# KiCad board SparkFun_GNSS_Flex_pHAT_panelized.kicad_pcb
title: SparkFun GNSS Flex pHAT; date: 2025-03-20; rev: v10; company: SparkFun Electronics; note: Designed by: P.C.
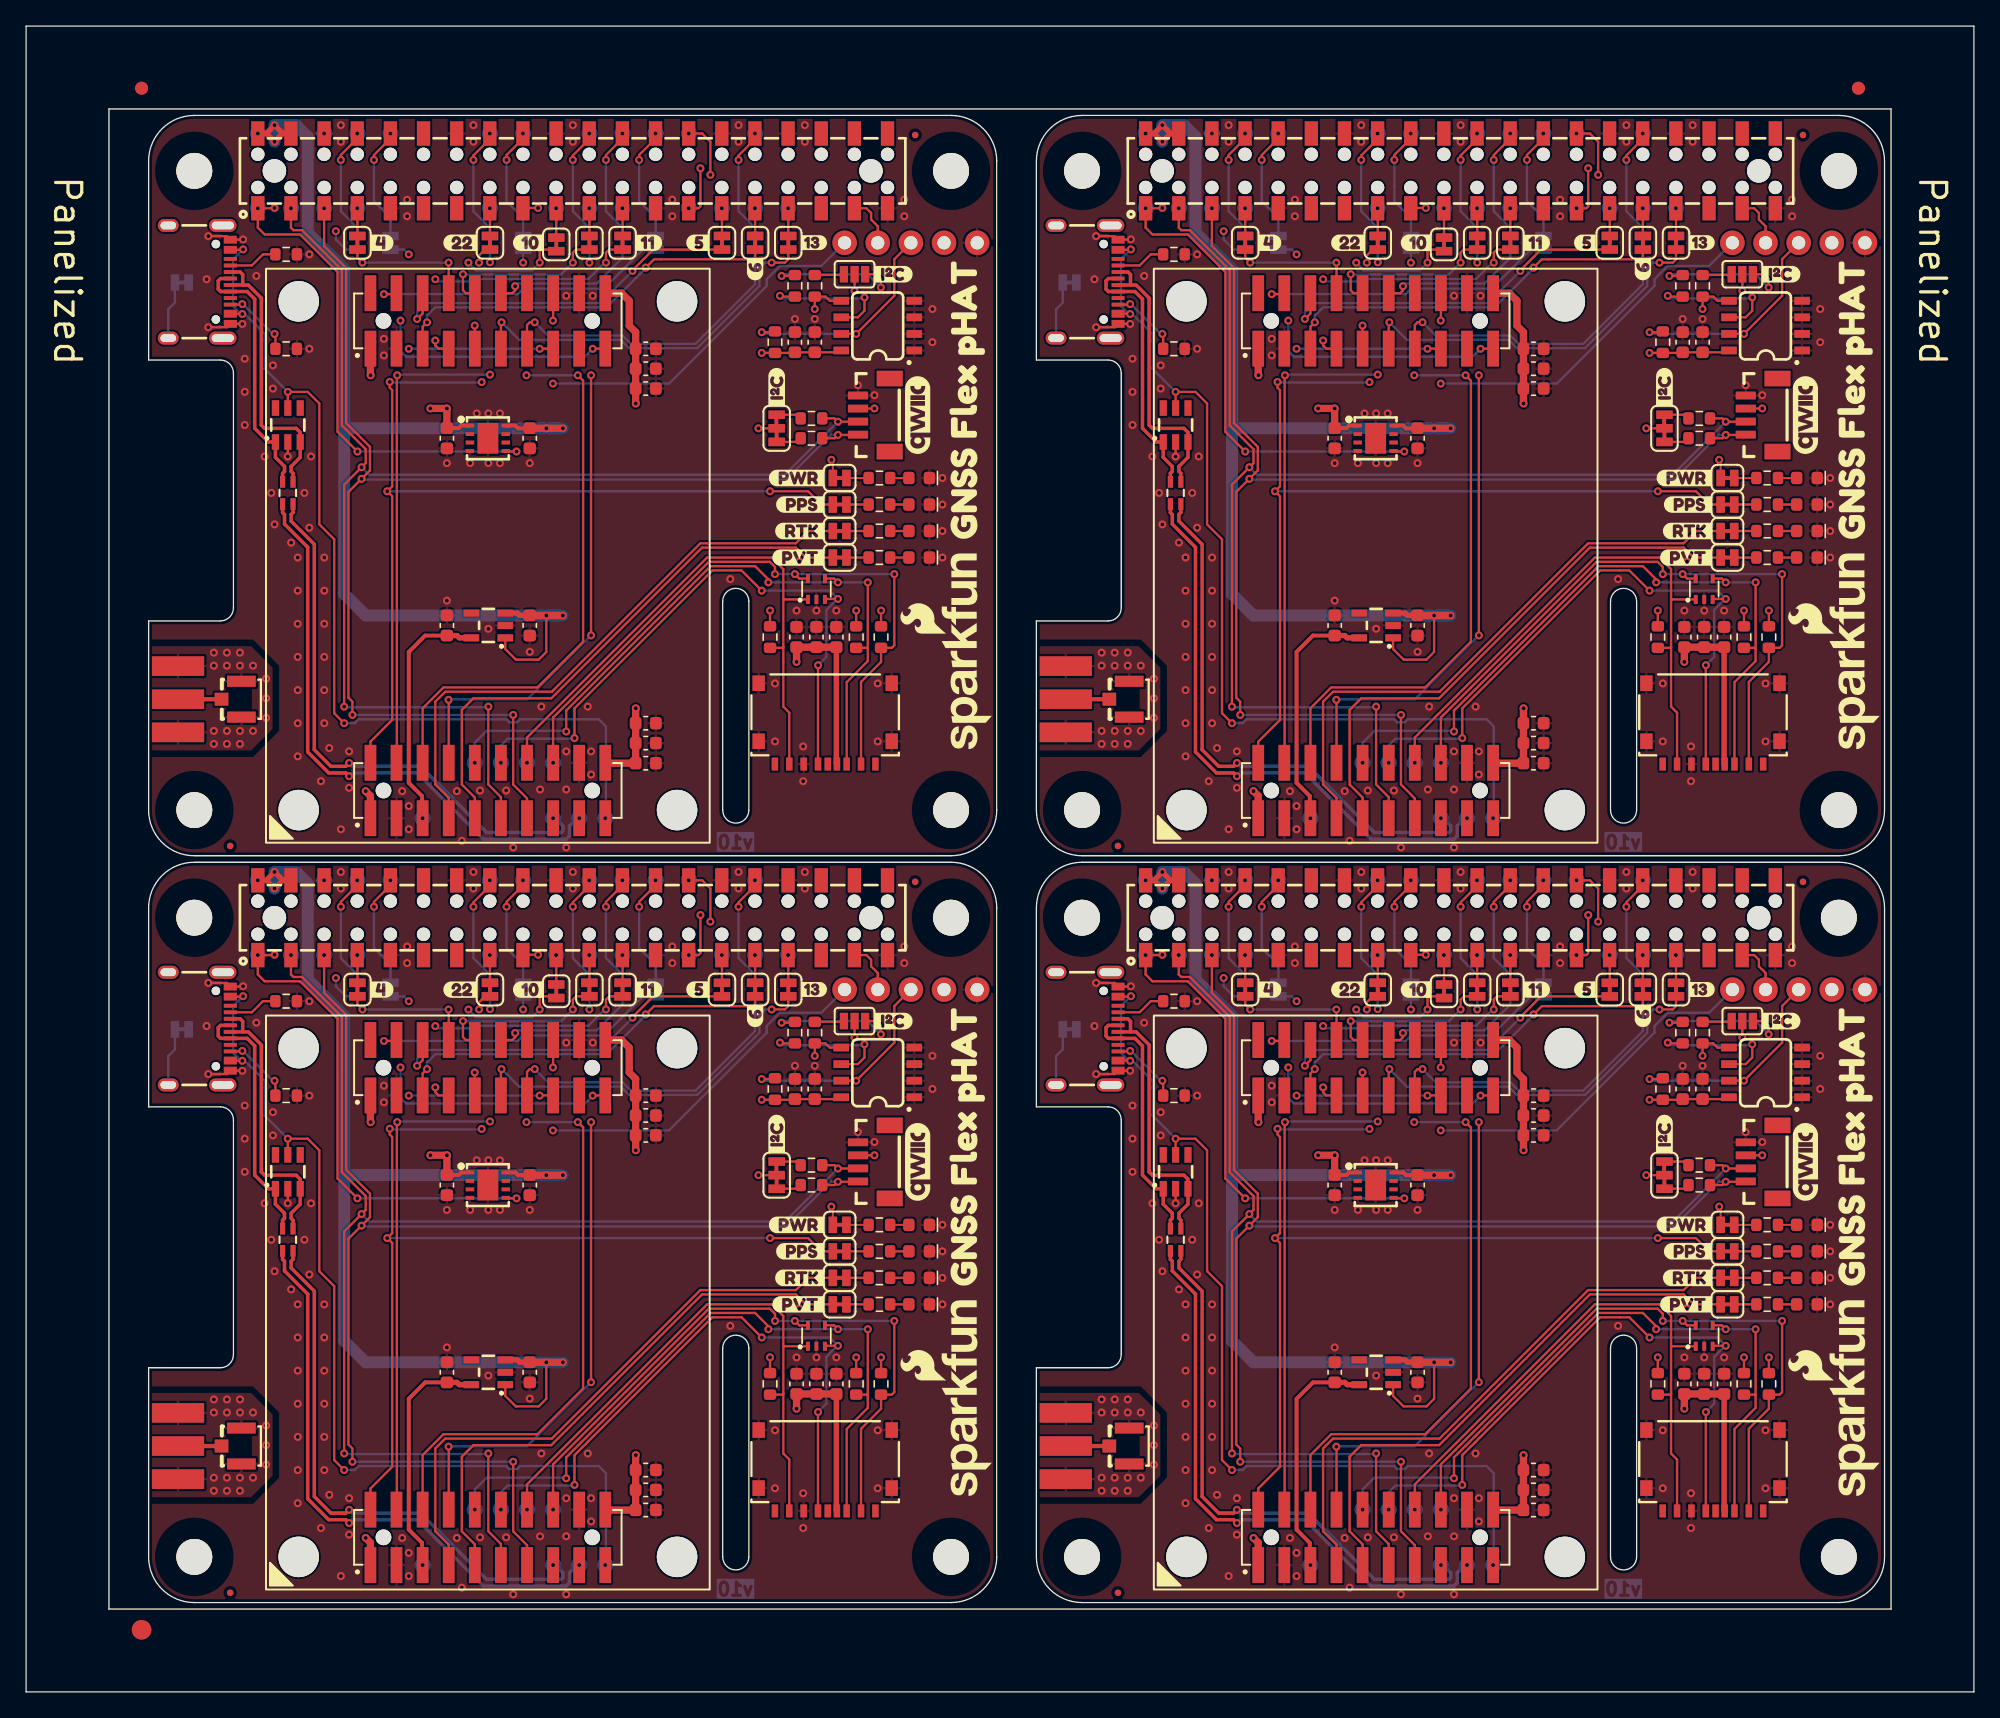
[diagram p0: board, top side]
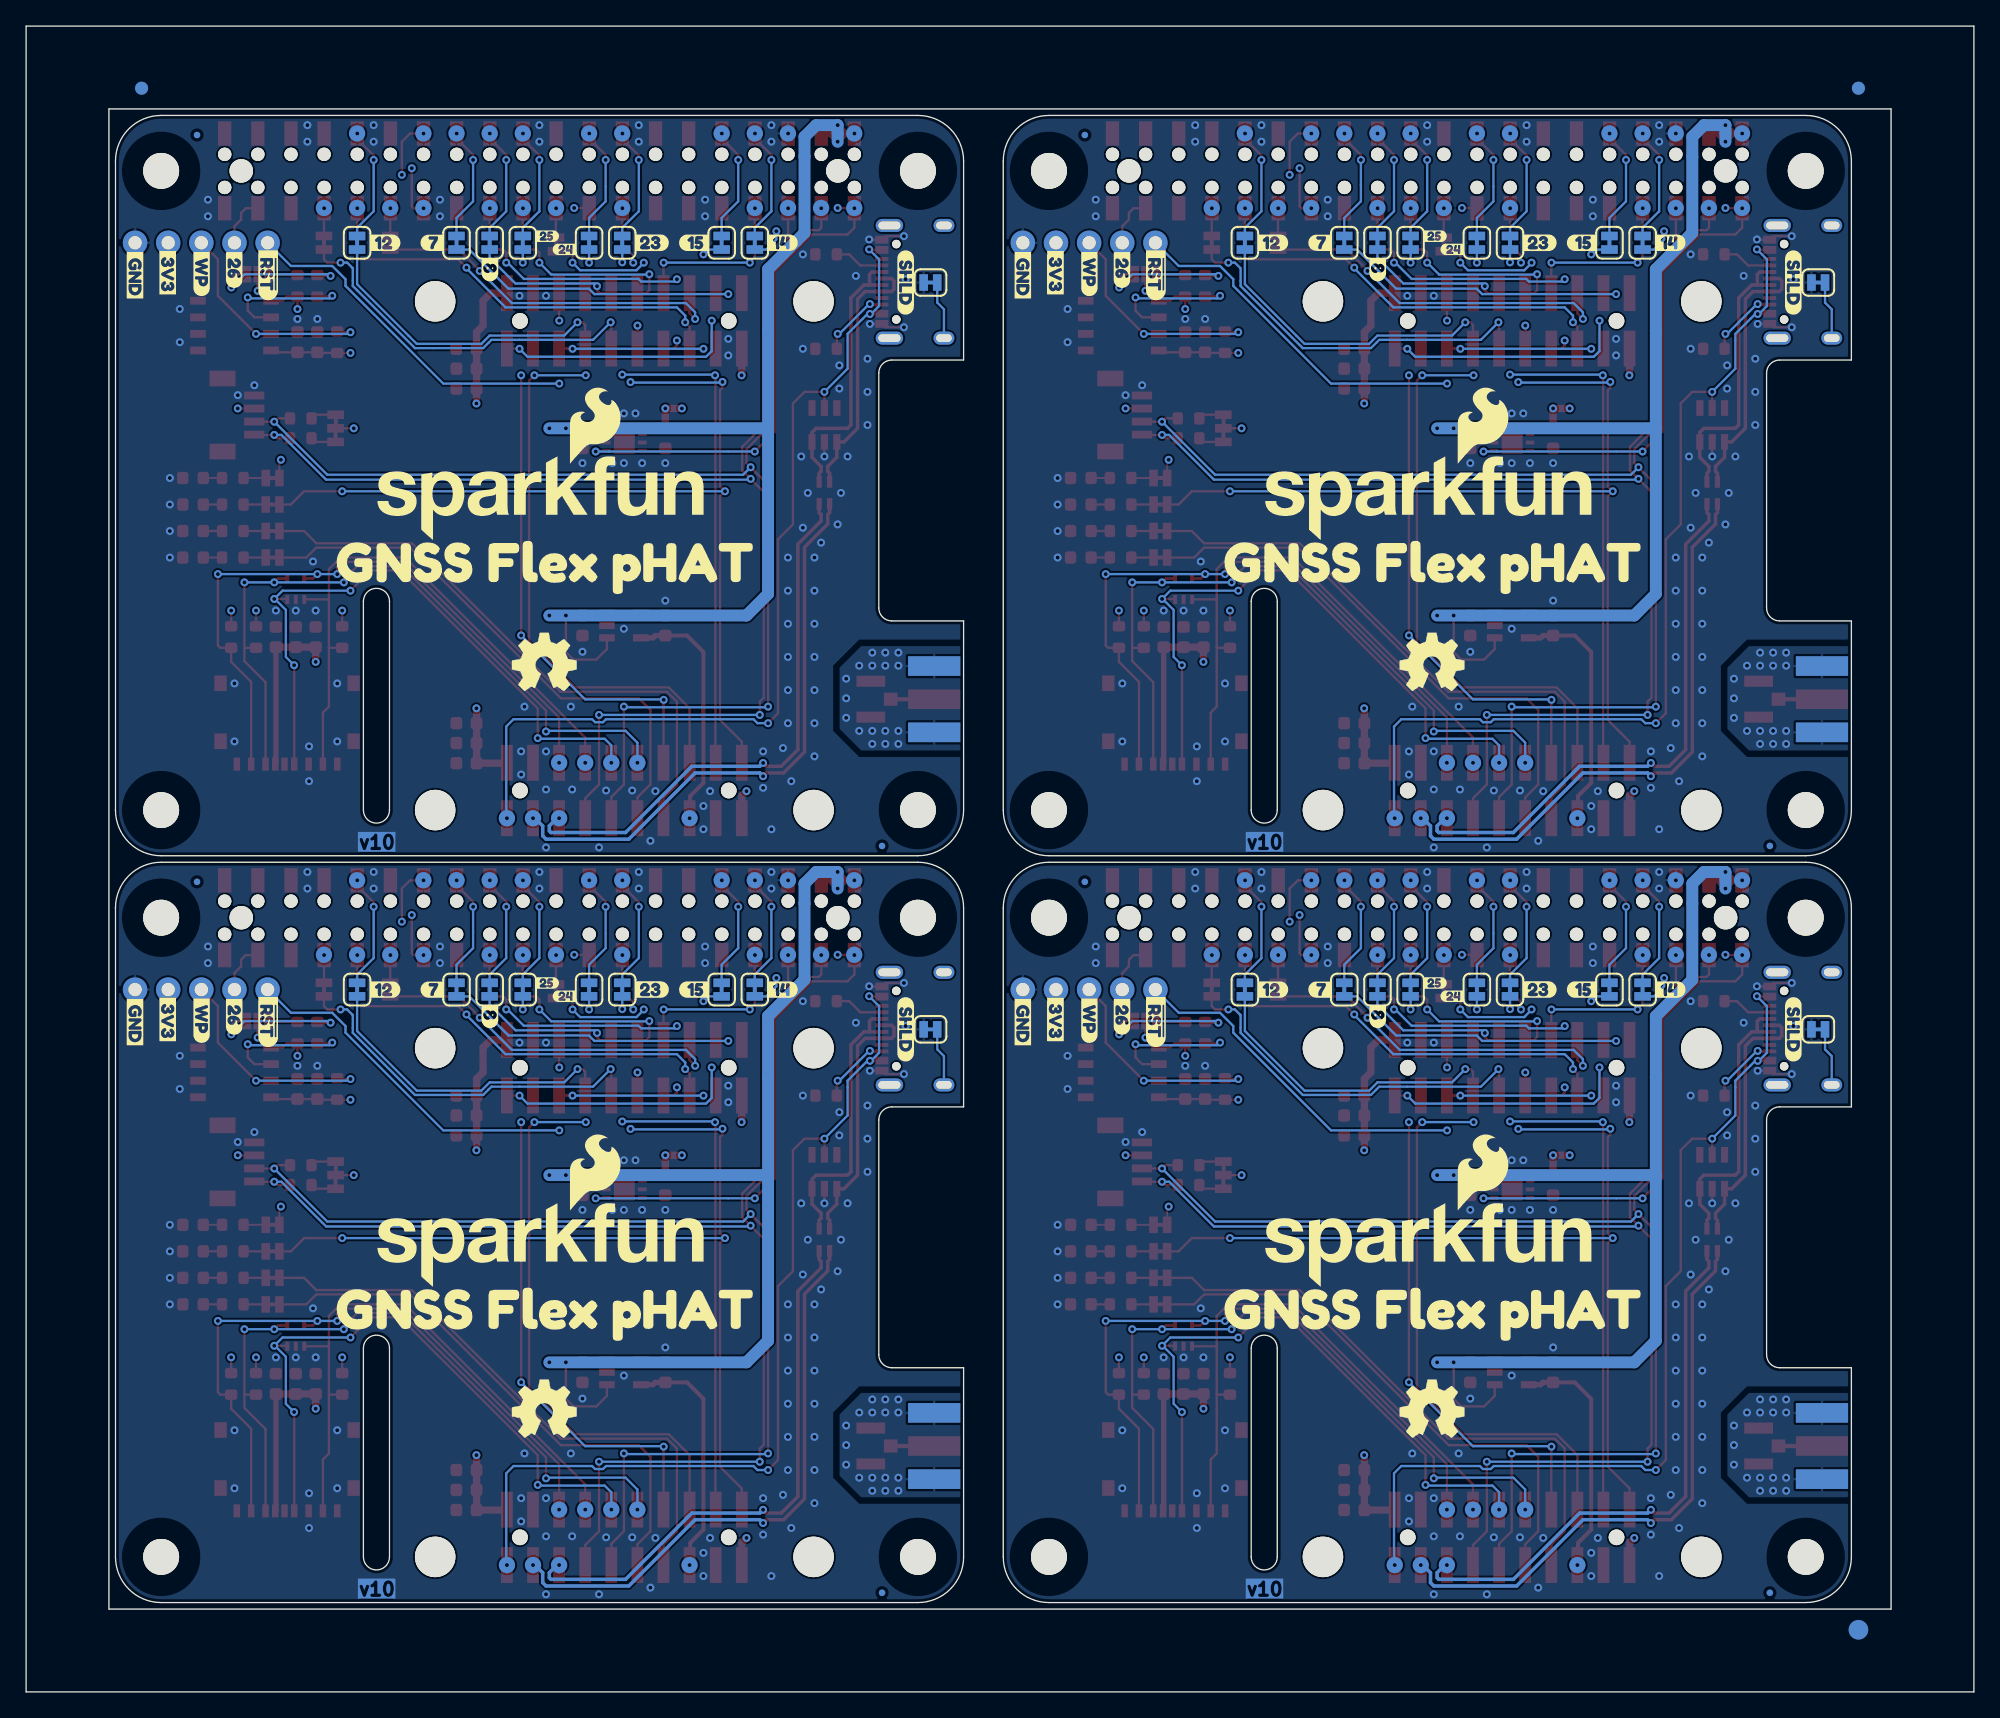
[diagram p1: board, bottom side, seen from below]

Outline 149.28 x 127.7 mm; copper layers: Top, In1.Cu, In2.Cu, Bottom. Coordinates in mm from the lower left corner of the outline.
Outline path: 0,127.7 149.28,127.7 149.28,0 0,0 0,127.7 ; 6.35,121.35 142.93,121.35 142.93,6.35 6.35,6.35 6.35,121.35 ; 9.39,117.35 9.39,102.1 14.89,102.1 arc(15.6,101.81) 15.89,101.1 15.89,83.1 arc(15.6,82.39) 14.89,82.1 9.39,82.1 9.39,67.6 arc(10.42,65.13) 12.89,64.1 70.89,64.1 arc(73.36,65.13) 74.39,67.6 74.39,117.35 arc(73.36,119.82) 70.89,120.85 12.89,120.85 arc(10.42,119.82) 9.39,117.35 ; 9.39,60.1 9.39,44.85 14.89,44.85 arc(15.6,44.56) 15.89,43.85 15.89,25.85 arc(15.6,25.14) 14.89,24.85 9.39,24.85 9.39,10.35 arc(10.42,7.88) 12.89,6.85 70.89,6.85 arc(73.36,7.88) 74.39,10.35 74.39,60.1 arc(73.36,62.57) 70.89,63.6 12.89,63.6 arc(10.42,62.57) 9.39,60.1 ; 53.39,83.6 arc(54.39,84.6) 55.39,83.6 55.39,67.6 arc(54.39,66.6) 53.39,67.6 53.39,83.6 ; 53.39,26.35 arc(54.39,27.35) 55.39,26.35 55.39,10.35 arc(54.39,9.35) 53.39,10.35 53.39,26.35 ; 77.43,117.35 77.43,102.1 82.93,102.1 arc(83.64,101.81) 83.93,101.1 83.93,83.1 arc(83.64,82.39) 82.93,82.1 77.43,82.1 77.43,67.6 arc(78.46,65.13) 80.93,64.1 138.93,64.1 arc(141.4,65.13) 142.43,67.6 142.43,117.35 arc(141.4,119.82) 138.93,120.85 80.93,120.85 arc(78.46,119.82) 77.43,117.35 ; 77.43,60.1 77.43,44.85 82.93,44.85 arc(83.64,44.56) 83.93,43.85 83.93,25.85 arc(83.64,25.14) 82.93,24.85 77.43,24.85 77.43,10.35 arc(78.46,7.88) 80.93,6.85 138.93,6.85 arc(141.4,7.88) 142.43,10.35 142.43,60.1 arc(141.4,62.57) 138.93,63.6 80.93,63.6 arc(78.46,62.57) 77.43,60.1 ; 121.43,83.6 arc(122.43,84.6) 123.43,83.6 123.43,67.6 arc(122.43,66.6) 121.43,67.6 121.43,83.6 ; 121.43,26.35 arc(122.43,27.35) 123.43,26.35 123.43,10.35 arc(122.43,9.35) 121.43,10.35 121.43,26.35
Stack: Top 0.035mm / dielectric 0.1mm FR4 er 4.5 / In1.Cu 0.035mm / dielectric 1.24mm FR4 er 4.5 / In2.Cu 0.035mm / dielectric 0.1mm FR4 er 4.5 / Bottom 0.035mm

## Placement (name value [footprint] x y rotation side)
C1  1.0uF  [C_0603_1608Metric]  58.92 103.47 90 top
C1#2  1.0uF  [C_0603_1608Metric]  126.96 46.22 90 top
C1#3  1.0uF  [C_0603_1608Metric]  126.96 103.47 90 top
C1#4  1.0uF  [C_0603_1608Metric]  58.92 46.22 90 top
C2  1.0uF  [C_0603_1608Metric]  106.64 96.1 90 top
C2#2  1.0uF  [C_0603_1608Metric]  106.64 38.85 90 top
C2#3  1.0uF  [C_0603_1608Metric]  38.6 38.85 90 top
C2#4  1.0uF  [C_0603_1608Metric]  38.6 96.1 90 top
C3  1.0uF  [C_0603_1608Metric]  32.25 38.85 90 top
C3#2  1.0uF  [C_0603_1608Metric]  100.29 96.1 90 top
C3#3  1.0uF  [C_0603_1608Metric]  32.25 96.1 90 top
C3#4  1.0uF  [C_0603_1608Metric]  100.29 38.85 90 top
C4  1.0uF  [C_0603_1608Metric]  38.6 24.5 90 top
C4#2  1.0uF  [C_0603_1608Metric]  106.64 81.75 90 top
C4#3  1.0uF  [C_0603_1608Metric]  106.64 24.5 90 top
C4#4  1.0uF  [C_0603_1608Metric]  38.6 81.75 90 top
C5  1.0uF  [C_0603_1608Metric]  32.25 81.75 270 top
C5#2  1.0uF  [C_0603_1608Metric]  32.25 24.5 270 top
C5#3  1.0uF  [C_0603_1608Metric]  100.29 81.75 270 top
C5#4  1.0uF  [C_0603_1608Metric]  100.29 24.5 270 top
C6  0.1uF  [C_0603_1608Metric]  128.48 103.47 90 top
C6#2  0.1uF  [C_0603_1608Metric]  128.48 46.22 90 top
C6#3  0.1uF  [C_0603_1608Metric]  60.44 103.47 90 top
C6#4  0.1uF  [C_0603_1608Metric]  60.44 46.22 90 top
C7  0.1uF  [C_0603_1608Metric]  130.13 23.61 90 top
C7#2  0.1uF  [C_0603_1608Metric]  62.09 80.86 90 top
C7#3  0.1uF  [C_0603_1608Metric]  130.13 80.86 90 top
C7#4  0.1uF  [C_0603_1608Metric]  62.09 23.61 90 top
C8  10uF  [C_0603_1608Metric]  127.09 23.61 90 top
C8#2  10uF  [C_0603_1608Metric]  59.05 23.61 90 top
C8#3  10uF  [C_0603_1608Metric]  59.05 80.86 90 top
C8#4  10uF  [C_0603_1608Metric]  127.09 80.86 90 top
C9  1.0uF  [C_0603_1608Metric]  128.61 80.86 270 top
C9#2  1.0uF  [C_0603_1608Metric]  128.61 23.61 270 top
C9#3  1.0uF  [C_0603_1608Metric]  60.57 80.86 270 top
C9#4  1.0uF  [C_0603_1608Metric]  60.57 23.61 270 top
C10  0.1uF  [C_0603_1608Metric]  47.49 13.94 0 top
C10#2  0.1uF  [C_0603_1608Metric]  115.53 71.19 0 top
C10#3  0.1uF  [C_0603_1608Metric]  115.53 13.94 0 top
C10#4  0.1uF  [C_0603_1608Metric]  47.49 71.19 0 top
C11  1.0uF  [C_0603_1608Metric]  47.49 72.74 180 top
C11#2  1.0uF  [C_0603_1608Metric]  115.53 72.74 180 top
C11#3  1.0uF  [C_0603_1608Metric]  47.49 15.49 180 top
C11#4  1.0uF  [C_0603_1608Metric]  115.53 15.49 180 top
C12  10uF  [C_0603_1608Metric]  47.49 74.26 0 top
C12#2  10uF  [C_0603_1608Metric]  47.49 17.01 0 top
C12#3  10uF  [C_0603_1608Metric]  115.53 74.26 0 top
C12#4  10uF  [C_0603_1608Metric]  115.53 17.01 0 top
C13  0.1uF  [C_0603_1608Metric]  47.49 45.71 0 top
C13#2  0.1uF  [C_0603_1608Metric]  115.53 102.96 0 top
C13#3  0.1uF  [C_0603_1608Metric]  115.53 45.71 0 top
C13#4  0.1uF  [C_0603_1608Metric]  47.49 102.96 0 top
C14  1.0uF  [C_0603_1608Metric]  115.53 101.44 180 top
C14#2  1.0uF  [C_0603_1608Metric]  47.49 101.44 180 top
C14#3  1.0uF  [C_0603_1608Metric]  115.53 44.19 180 top
C14#4  1.0uF  [C_0603_1608Metric]  47.49 44.19 180 top
C15  10uF  [C_0603_1608Metric]  115.53 99.91 0 top
C15#2  10uF  [C_0603_1608Metric]  47.49 99.91 0 top
C15#3  10uF  [C_0603_1608Metric]  47.49 42.66 0 top
C15#4  10uF  [C_0603_1608Metric]  115.53 42.66 0 top
D1  DT1042-04SO  [SOT23-6]  20.06 97.12 90 top
D1#2  DT1042-04SO  [SOT23-6]  20.06 39.87 90 top
D1#3  DT1042-04SO  [SOT23-6]  88.1 97.12 90 top
D1#4  DT1042-04SO  [SOT23-6]  88.1 39.87 90 top
D2  DF5A5.6LFU  [SOT-353]  60.57 84.55 90 top
D2#2  DF5A5.6LFU  [SOT-353]  128.61 27.3 90 top
D2#3  DF5A5.6LFU  [SOT-353]  128.61 84.55 90 top
D2#4  DF5A5.6LFU  [SOT-353]  60.57 27.3 90 top
D3  White  [LED_0603_1608Metric_White]  136.48 88.99 180 top
D3#2  White  [LED_0603_1608Metric_White]  136.48 31.74 180 top
D3#3  White  [LED_0603_1608Metric_White]  68.44 88.99 180 top
D3#4  White  [LED_0603_1608Metric_White]  68.44 31.74 180 top
D4  Blue  [LED_0603_1608Metric_Blue]  136.48 29.71 180 top
D4#2  Blue  [LED_0603_1608Metric_Blue]  68.44 86.96 180 top
D4#3  Blue  [LED_0603_1608Metric_Blue]  68.44 29.71 180 top
D4#4  Blue  [LED_0603_1608Metric_Blue]  136.48 86.96 180 top
D5  Yellow  [LED_0603_1608Metric_Yellow]  68.44 91.02 180 top
D5#2  Yellow  [LED_0603_1608Metric_Yellow]  68.44 33.77 180 top
D5#3  Yellow  [LED_0603_1608Metric_Yellow]  136.48 33.77 180 top
D5#4  Yellow  [LED_0603_1608Metric_Yellow]  136.48 91.02 180 top
D6  Red  [LED_0603_1608Metric_Red]  136.48 93.06 180 top
D6#2  Red  [LED_0603_1608Metric_Red]  68.44 35.81 180 top
D6#3  Red  [LED_0603_1608Metric_Red]  136.48 35.81 180 top
D6#4  Red  [LED_0603_1608Metric_Red]  68.44 93.06 180 top
FID1  Fiducial_0.5mm  [Fiducial_0.5mm_Mask1mm]  68.14 119.35 0 top
FID1#2  Fiducial_0.5mm  [Fiducial_0.5mm_Mask1mm]  68.14 62.1 0 top
FID1#3  Fiducial_0.5mm  [Fiducial_0.5mm_Mask1mm]  136.18 119.35 0 top
FID1#4  Fiducial_0.5mm  [Fiducial_0.5mm_Mask1mm]  136.18 62.1 0 top
FID2  Fiducial_0.5mm  [Fiducial_0.5mm_Mask1mm]  15.64 7.6 180 bottom
FID2#2  Fiducial_0.5mm  [Fiducial_0.5mm_Mask1mm]  83.68 7.6 180 bottom
FID2#3  Fiducial_0.5mm  [Fiducial_0.5mm_Mask1mm]  15.64 64.85 180 bottom
FID2#4  Fiducial_0.5mm  [Fiducial_0.5mm_Mask1mm]  83.68 64.85 180 bottom
FID3  Fiducial_0.5mm  [Fiducial_0.5mm_Mask1mm]  68.14 62.1 180 bottom
FID3#2  Fiducial_0.5mm  [Fiducial_0.5mm_Mask1mm]  136.18 119.35 180 bottom
FID3#3  Fiducial_0.5mm  [Fiducial_0.5mm_Mask1mm]  68.14 119.35 180 bottom
FID3#4  Fiducial_0.5mm  [Fiducial_0.5mm_Mask1mm]  136.18 62.1 180 bottom
FID4  Fiducial_0.5mm  [Fiducial_0.5mm_Mask1mm]  83.68 64.85 0 top
FID4#2  Fiducial_0.5mm  [Fiducial_0.5mm_Mask1mm]  15.64 64.85 0 top
FID4#3  Fiducial_0.5mm  [Fiducial_0.5mm_Mask1mm]  83.68 7.6 0 top
FID4#4  Fiducial_0.5mm  [Fiducial_0.5mm_Mask1mm]  15.64 7.6 0 top
G3  OSHW_Logo  [Creative_Commons_License]  109.08 -37.6 0 top
G***  LOGO  [SparkFun_Logo_15mm]  71.87 79.59 90 top
G***#2  LOGO  [SparkFun_Logo_15mm]  71.87 22.34 90 top
G***#3  LOGO  [SparkFun_Logo_15mm]  139.91 22.34 90 top
G***#4  LOGO  [qwiic_6mm]  68.32 40.63 90 top
G***#5  LOGO  [qwiic_6mm]  136.36 97.88 90 top
G***#6  LOGO  [qwiic_6mm]  68.32 97.88 90 top
G***#7  LOGO  [SparkFun_Logo_15mm]  139.91 79.59 90 top
G***#8  LOGO  [qwiic_6mm]  136.36 40.63 90 top
G***#9  LOGO  [SparkFun_Logo_25mm]  110.32 34.79 180 bottom
G***#10  LOGO  [SparkFun_Logo_25mm]  42.28 34.79 180 bottom
G***#11  LOGO  [SparkFun_Logo_25mm]  42.28 92.04 180 bottom
G***#12  LOGO  [SparkFun_Logo_25mm]  110.32 92.04 180 bottom
J1  Raspberry_Pi_2x20_SMD_Passthrough  [Raspberry_Pi_Shield_Top_Entry_No_Mounting_Holes]  109.93 116.6 90 top
J1#2  Raspberry_Pi_2x20_SMD_Passthrough  [Raspberry_Pi_Shield_Top_Entry_No_Mounting_Holes]  41.89 116.6 90 top
J1#3  Raspberry_Pi_2x20_SMD_Passthrough  [Raspberry_Pi_Shield_Top_Entry_No_Mounting_Holes]  109.93 59.35 90 top
J1#4  Raspberry_Pi_2x20_SMD_Passthrough  [Raspberry_Pi_Shield_Top_Entry_No_Mounting_Holes]  41.89 59.35 90 top
J2  Conn_02x10  [2x10_2.0mm_Male_Pins_Vertical_SMD_Pegs]  35.39 69.1 90 top
J2#2  Conn_02x10  [2x10_2.0mm_Male_Pins_Vertical_SMD_Pegs]  35.39 11.85 90 top
J2#3  Conn_02x10  [2x10_2.0mm_Male_Pins_Vertical_SMD_Pegs]  103.43 69.1 90 top
J2#4  Conn_02x10  [2x10_2.0mm_Male_Pins_Vertical_SMD_Pegs]  103.43 11.85 90 top
J3  -  [U.FL]  16.5 76.1 180 top
J3#2  -  [U.FL]  84.54 18.85 180 top
J3#3  -  [U.FL]  16.5 18.85 180 top
J3#4  -  [U.FL]  84.54 76.1 180 top
J4  Conn_02x10  [2x10_2.0mm_Male_Pins_Vertical_SMD_Pegs]  103.43 47.85 90 top
J4#2  Conn_02x10  [2x10_2.0mm_Male_Pins_Vertical_SMD_Pegs]  103.43 105.1 90 top
J4#3  Conn_02x10  [2x10_2.0mm_Male_Pins_Vertical_SMD_Pegs]  35.39 47.85 90 top
J4#4  Conn_02x10  [2x10_2.0mm_Male_Pins_Vertical_SMD_Pegs]  35.39 105.1 90 top
J5  microSD_Friction  [microSD_Friction_Fit_Common]  61.24 75.1 0 top
J5#2  microSD_Friction  [microSD_Friction_Fit_Common]  61.24 17.85 0 top
J5#3  microSD_Friction  [microSD_Friction_Fit_Common]  129.28 75.1 0 top
J5#4  microSD_Friction  [microSD_Friction_Fit_Common]  129.28 17.85 0 top
J6  USB_C_Receptacle  [USB-C_16]  84.03 50.85 270 top
J6#2  USB_C_Receptacle  [USB-C_16]  15.99 108.1 270 top
J6#3  USB_C_Receptacle  [USB-C_16]  84.03 108.1 270 top
J6#4  USB_C_Receptacle  [USB-C_16]  15.99 50.85 270 top
J7  -  [SMA_Edge]  11.64 76.1 90 top
J7#2  -  [SMA_Edge]  11.64 18.85 90 top
J7#3  -  [SMA_Edge]  79.68 76.1 90 top
J7#4  -  [SMA_Edge]  79.68 18.85 90 top
J8  Qwiic_Vertical  [JST_SMD_1.0mm-4_Vertical_Black]  65.27 97.88 270 top
J8#2  Qwiic_Vertical  [JST_SMD_1.0mm-4_Vertical_Black]  133.31 97.88 270 top
J8#3  Qwiic_Vertical  [JST_SMD_1.0mm-4_Vertical_Black]  65.27 40.63 270 top
J8#4  Qwiic_Vertical  [JST_SMD_1.0mm-4_Vertical_Black]  133.31 40.63 270 top
J9  Conn_01x05  [1x05]  140.93 53.84 180 top
J9#2  Conn_01x05  [1x05]  72.89 53.84 180 top
J9#3  Conn_01x05  [1x05]  140.93 111.09 180 top
J9#4  Conn_01x05  [1x05]  72.89 111.09 180 top
JP1  ~  [Jumper_3_NC-2_Trace]  125.56 96.87 90 top
JP1#2  ~  [Jumper_3_NC-2_Trace]  125.56 39.62 90 top
JP1#3  ~  [Jumper_3_NC-2_Trace]  57.52 96.87 90 top
JP1#4  ~  [Jumper_3_NC-2_Trace]  57.52 39.62 90 top
JP2  ~  [Jumper_3_NO]  131.53 108.68 180 top
JP2#2  ~  [Jumper_3_NO]  131.53 51.43 180 top
JP2#3  ~  [Jumper_3_NO]  63.49 108.68 180 top
JP2#4  ~  [Jumper_3_NO]  63.49 51.43 180 top
JP3  ~  [Jumper_2_NC_Trace]  11.93 108.04 180 bottom
JP3#2  ~  [Jumper_2_NC_Trace]  79.97 50.79 180 bottom
JP3#3  ~  [Jumper_2_NC_Trace]  79.97 108.04 180 bottom
JP3#4  ~  [Jumper_2_NC_Trace]  11.93 50.79 180 bottom
JP4  ~  [Jumper_2_NC_Trace]  93.43 53.84 270 top
JP4#2  ~  [Jumper_2_NC_Trace]  25.39 53.84 270 top
JP4#3  ~  [Jumper_2_NC_Trace]  25.39 111.09 270 top
JP4#4  ~  [Jumper_2_NC_Trace]  93.43 111.09 270 top
JP5  ~  [Jumper_2_NC_Trace]  121.37 53.84 270 top
JP5#2  ~  [Jumper_2_NC_Trace]  121.37 111.09 270 top
JP5#3  ~  [Jumper_2_NC_Trace]  53.33 111.09 270 top
JP5#4  ~  [Jumper_2_NC_Trace]  53.33 53.84 270 top
JP6  ~  [Jumper_2_NC_Trace]  55.87 53.84 270 top
JP6#2  ~  [Jumper_2_NC_Trace]  55.87 111.09 270 top
JP6#3  ~  [Jumper_2_NC_Trace]  123.91 53.84 270 top
JP6#4  ~  [Jumper_2_NC_Trace]  123.91 111.09 270 top
JP7  ~  [Jumper_2_NC_Trace]  48.25 53.84 270 bottom
JP7#2  ~  [Jumper_2_NC_Trace]  116.29 111.09 270 bottom
JP7#3  ~  [Jumper_2_NC_Trace]  116.29 53.84 270 bottom
JP7#4  ~  [Jumper_2_NC_Trace]  48.25 111.09 270 bottom
JP8  ~  [Jumper_2_NC_Trace]  113.75 111.09 270 bottom
JP8#2  ~  [Jumper_2_NC_Trace]  45.71 53.84 270 bottom
JP8#3  ~  [Jumper_2_NC_Trace]  45.71 111.09 270 bottom
JP8#4  ~  [Jumper_2_NC_Trace]  113.75 53.84 270 bottom
JP9  ~  [Jumper_2_NC_Trace]  43.17 53.84 270 top
JP9#2  ~  [Jumper_2_NC_Trace]  43.17 111.09 270 top
JP9#3  ~  [Jumper_2_NC_Trace]  111.21 53.84 270 top
JP9#4  ~  [Jumper_2_NC_Trace]  111.21 111.09 270 top
JP10  ~  [Jumper_2_NC_Trace]  40.63 53.71 270 top
JP10#2  ~  [Jumper_2_NC_Trace]  108.67 110.96 270 top
JP10#3  ~  [Jumper_2_NC_Trace]  40.63 110.96 270 top
JP10#4  ~  [Jumper_2_NC_Trace]  108.67 53.71 270 top
JP11  ~  [Jumper_2_NC_Trace]  113.75 53.84 270 top
JP11#2  ~  [Jumper_2_NC_Trace]  45.71 111.09 270 top
JP11#3  ~  [Jumper_2_NC_Trace]  113.75 111.09 270 top
JP11#4  ~  [Jumper_2_NC_Trace]  45.71 53.84 270 top
JP12  ~  [Jumper_2_NC_Trace]  123.91 111.09 270 bottom
JP12#2  ~  [Jumper_2_NC_Trace]  55.87 53.84 270 bottom
JP12#3  ~  [Jumper_2_NC_Trace]  123.91 53.84 270 bottom
JP12#4  ~  [Jumper_2_NC_Trace]  55.87 111.09 270 bottom
JP13  ~  [Jumper_2_NC_Trace]  58.41 53.84 270 top
JP13#2  ~  [Jumper_2_NC_Trace]  126.45 53.84 270 top
JP13#3  ~  [Jumper_2_NC_Trace]  58.41 111.09 270 top
JP13#4  ~  [Jumper_2_NC_Trace]  126.45 111.09 270 top
JP14  ~  [Jumper_2_NC_Trace]  93.43 111.09 90 bottom
JP14#2  ~  [Jumper_2_NC_Trace]  25.39 111.09 90 bottom
JP14#3  ~  [Jumper_2_NC_Trace]  25.39 53.84 90 bottom
JP14#4  ~  [Jumper_2_NC_Trace]  93.43 53.84 90 bottom
JP15  ~  [Jumper_2_NC_Trace]  95.97 53.84 90 bottom
JP15#2  ~  [Jumper_2_NC_Trace]  95.97 111.09 90 bottom
JP15#3  ~  [Jumper_2_NC_Trace]  27.93 53.84 90 bottom
JP15#4  ~  [Jumper_2_NC_Trace]  27.93 111.09 90 bottom
JP22  ~  [Jumper_2_NC_Trace]  35.55 53.84 90 top
JP22#2  ~  [Jumper_2_NC_Trace]  35.55 111.09 90 top
JP22#3  ~  [Jumper_2_NC_Trace]  103.59 111.09 90 top
JP22#4  ~  [Jumper_2_NC_Trace]  103.59 53.84 90 top
JP23  ~  [Jumper_2_NC_Trace]  35.55 53.84 90 bottom
JP23#2  ~  [Jumper_2_NC_Trace]  103.59 111.09 90 bottom
JP23#3  ~  [Jumper_2_NC_Trace]  103.59 53.84 90 bottom
JP23#4  ~  [Jumper_2_NC_Trace]  35.55 111.09 90 bottom
JP24  ~  [Jumper_2_NC_Trace]  106.13 53.84 90 bottom
JP24#2  ~  [Jumper_2_NC_Trace]  106.13 111.09 90 bottom
JP24#3  ~  [Jumper_2_NC_Trace]  38.09 53.84 90 bottom
JP24#4  ~  [Jumper_2_NC_Trace]  38.09 111.09 90 bottom
JP25  ~  [Jumper_2_NC_Trace]  43.17 111.09 90 bottom
JP25#2  ~  [Jumper_2_NC_Trace]  111.21 111.09 90 bottom
JP25#3  ~  [Jumper_2_NC_Trace]  43.17 53.84 90 bottom
JP25#4  ~  [Jumper_2_NC_Trace]  111.21 53.84 90 bottom
kibuzzard-67DC18B6  G***  [kibuzzard-67DC18B6]  41.49 28.95 180 bottom
kibuzzard-67DC18B6#2  G***  [kibuzzard-67DC18B6]  109.53 28.95 180 bottom
kibuzzard-67DC18B6#3  G***  [kibuzzard-67DC18B6]  41.49 86.2 180 bottom
kibuzzard-67DC18B6#4  G***  [kibuzzard-67DC18B6]  109.53 86.2 180 bottom
kibuzzard-67DC1838  G***  [kibuzzard-67DC1838]  72.13 99.03 90 top
kibuzzard-67DC1838#2  G***  [kibuzzard-67DC1838]  140.17 99.03 90 top
kibuzzard-67DC1838#3  G***  [kibuzzard-67DC1838]  72.13 41.78 90 top
kibuzzard-67DC1838#4  G***  [kibuzzard-67DC1838]  140.17 41.78 90 top
kibuzzard-678F8AD2  G***  [kibuzzard-678F8AD2]  130.73 51.35 270 bottom
kibuzzard-678F8AD2#2  G***  [kibuzzard-678F8AD2]  62.69 108.6 270 bottom
kibuzzard-678F8AD2#3  G***  [kibuzzard-678F8AD2]  130.73 108.6 270 bottom
kibuzzard-678F8AD2#4  G***  [kibuzzard-678F8AD2]  62.69 51.35 270 bottom
kibuzzard-678F8D59  G***  [kibuzzard-678F8D59]  95.34 53.84 0 top
kibuzzard-678F8D59#2  G***  [kibuzzard-678F8D59]  27.3 111.09 0 top
kibuzzard-678F8D59#3  G***  [kibuzzard-678F8D59]  95.34 111.09 0 top
kibuzzard-678F8D59#4  G***  [kibuzzard-678F8D59]  27.3 53.84 0 top
kibuzzard-678F8D86  G***  [kibuzzard-678F8D86]  101.31 111.09 0 top
kibuzzard-678F8D86#2  G***  [kibuzzard-678F8D86]  33.27 53.84 0 top
kibuzzard-678F8D86#3  G***  [kibuzzard-678F8D86]  101.31 53.84 0 top
kibuzzard-678F8D86#4  G***  [kibuzzard-678F8D86]  33.27 111.09 0 top
kibuzzard-678F8DB2  G***  [kibuzzard-678F8DB2]  115.78 111.09 0 top
kibuzzard-678F8DB2#2  G***  [kibuzzard-678F8DB2]  47.74 111.09 0 top
kibuzzard-678F8DB2#3  G***  [kibuzzard-678F8DB2]  115.78 53.84 0 top
kibuzzard-678F8DB2#4  G***  [kibuzzard-678F8DB2]  47.74 53.84 0 top
kibuzzard-678F8E11  G***  [kibuzzard-678F8E11]  51.43 111.09 0 top
kibuzzard-678F8E11#2  G***  [kibuzzard-678F8E11]  119.47 53.84 0 top
kibuzzard-678F8E11#3  G***  [kibuzzard-678F8E11]  119.47 111.09 0 top
kibuzzard-678F8E11#4  G***  [kibuzzard-678F8E11]  51.43 53.84 0 top
kibuzzard-678F8E25  G***  [kibuzzard-678F8E25]  123.91 51.81 90 top
kibuzzard-678F8E25#2  G***  [kibuzzard-678F8E25]  55.87 51.81 90 top
kibuzzard-678F8E25#3  G***  [kibuzzard-678F8E25]  123.91 109.06 90 top
kibuzzard-678F8E25#4  G***  [kibuzzard-678F8E25]  55.87 109.06 90 top
kibuzzard-678F8E41  G***  [kibuzzard-678F8E41]  106.51 111.09 0 top
kibuzzard-678F8E41#2  G***  [kibuzzard-678F8E41]  38.47 53.84 0 top
kibuzzard-678F8E41#3  G***  [kibuzzard-678F8E41]  38.47 111.09 0 top
kibuzzard-678F8E41#4  G***  [kibuzzard-678F8E41]  106.51 53.84 0 top
kibuzzard-678F8E95  G***  [kibuzzard-678F8E95]  53.71 53.84 180 bottom
kibuzzard-678F8E95#2  G***  [kibuzzard-678F8E95]  121.75 53.84 180 bottom
kibuzzard-678F8E95#3  G***  [kibuzzard-678F8E95]  121.75 111.09 180 bottom
kibuzzard-678F8E95#4  G***  [kibuzzard-678F8E95]  53.71 111.09 180 bottom
kibuzzard-678F8EB4  G***  [kibuzzard-678F8EB4]  118.2 111.09 180 bottom
kibuzzard-678F8EB4#2  G***  [kibuzzard-678F8EB4]  50.16 53.84 180 bottom
kibuzzard-678F8EB4#3  G***  [kibuzzard-678F8EB4]  118.2 53.84 180 bottom
kibuzzard-678F8EB4#4  G***  [kibuzzard-678F8EB4]  50.16 111.09 180 bottom
kibuzzard-678F8ED3  G***  [kibuzzard-678F8ED3]  41.27 111.6 180 bottom
kibuzzard-678F8ED3#2  G***  [kibuzzard-678F8ED3]  41.27 54.35 180 bottom
kibuzzard-678F8ED3#3  G***  [kibuzzard-678F8ED3]  109.31 111.6 180 bottom
kibuzzard-678F8ED3#4  G***  [kibuzzard-678F8ED3]  109.31 54.35 180 bottom
kibuzzard-678F8EED  G***  [kibuzzard-678F8EED]  108.04 110.58 180 bottom